# Altium PCB 4G_V4.0_5X4.PcbDoc (part 3 of 4)
Units mm, origin at the board's own origin, x right, y up, seen from the top; angles counter-clockwise.
Board outline 189.75 x 201.25 mm, 2 copper layers (Top Layer, Bottom Layer); 760 components, 0 nets, 5752 pads, 780 vias.
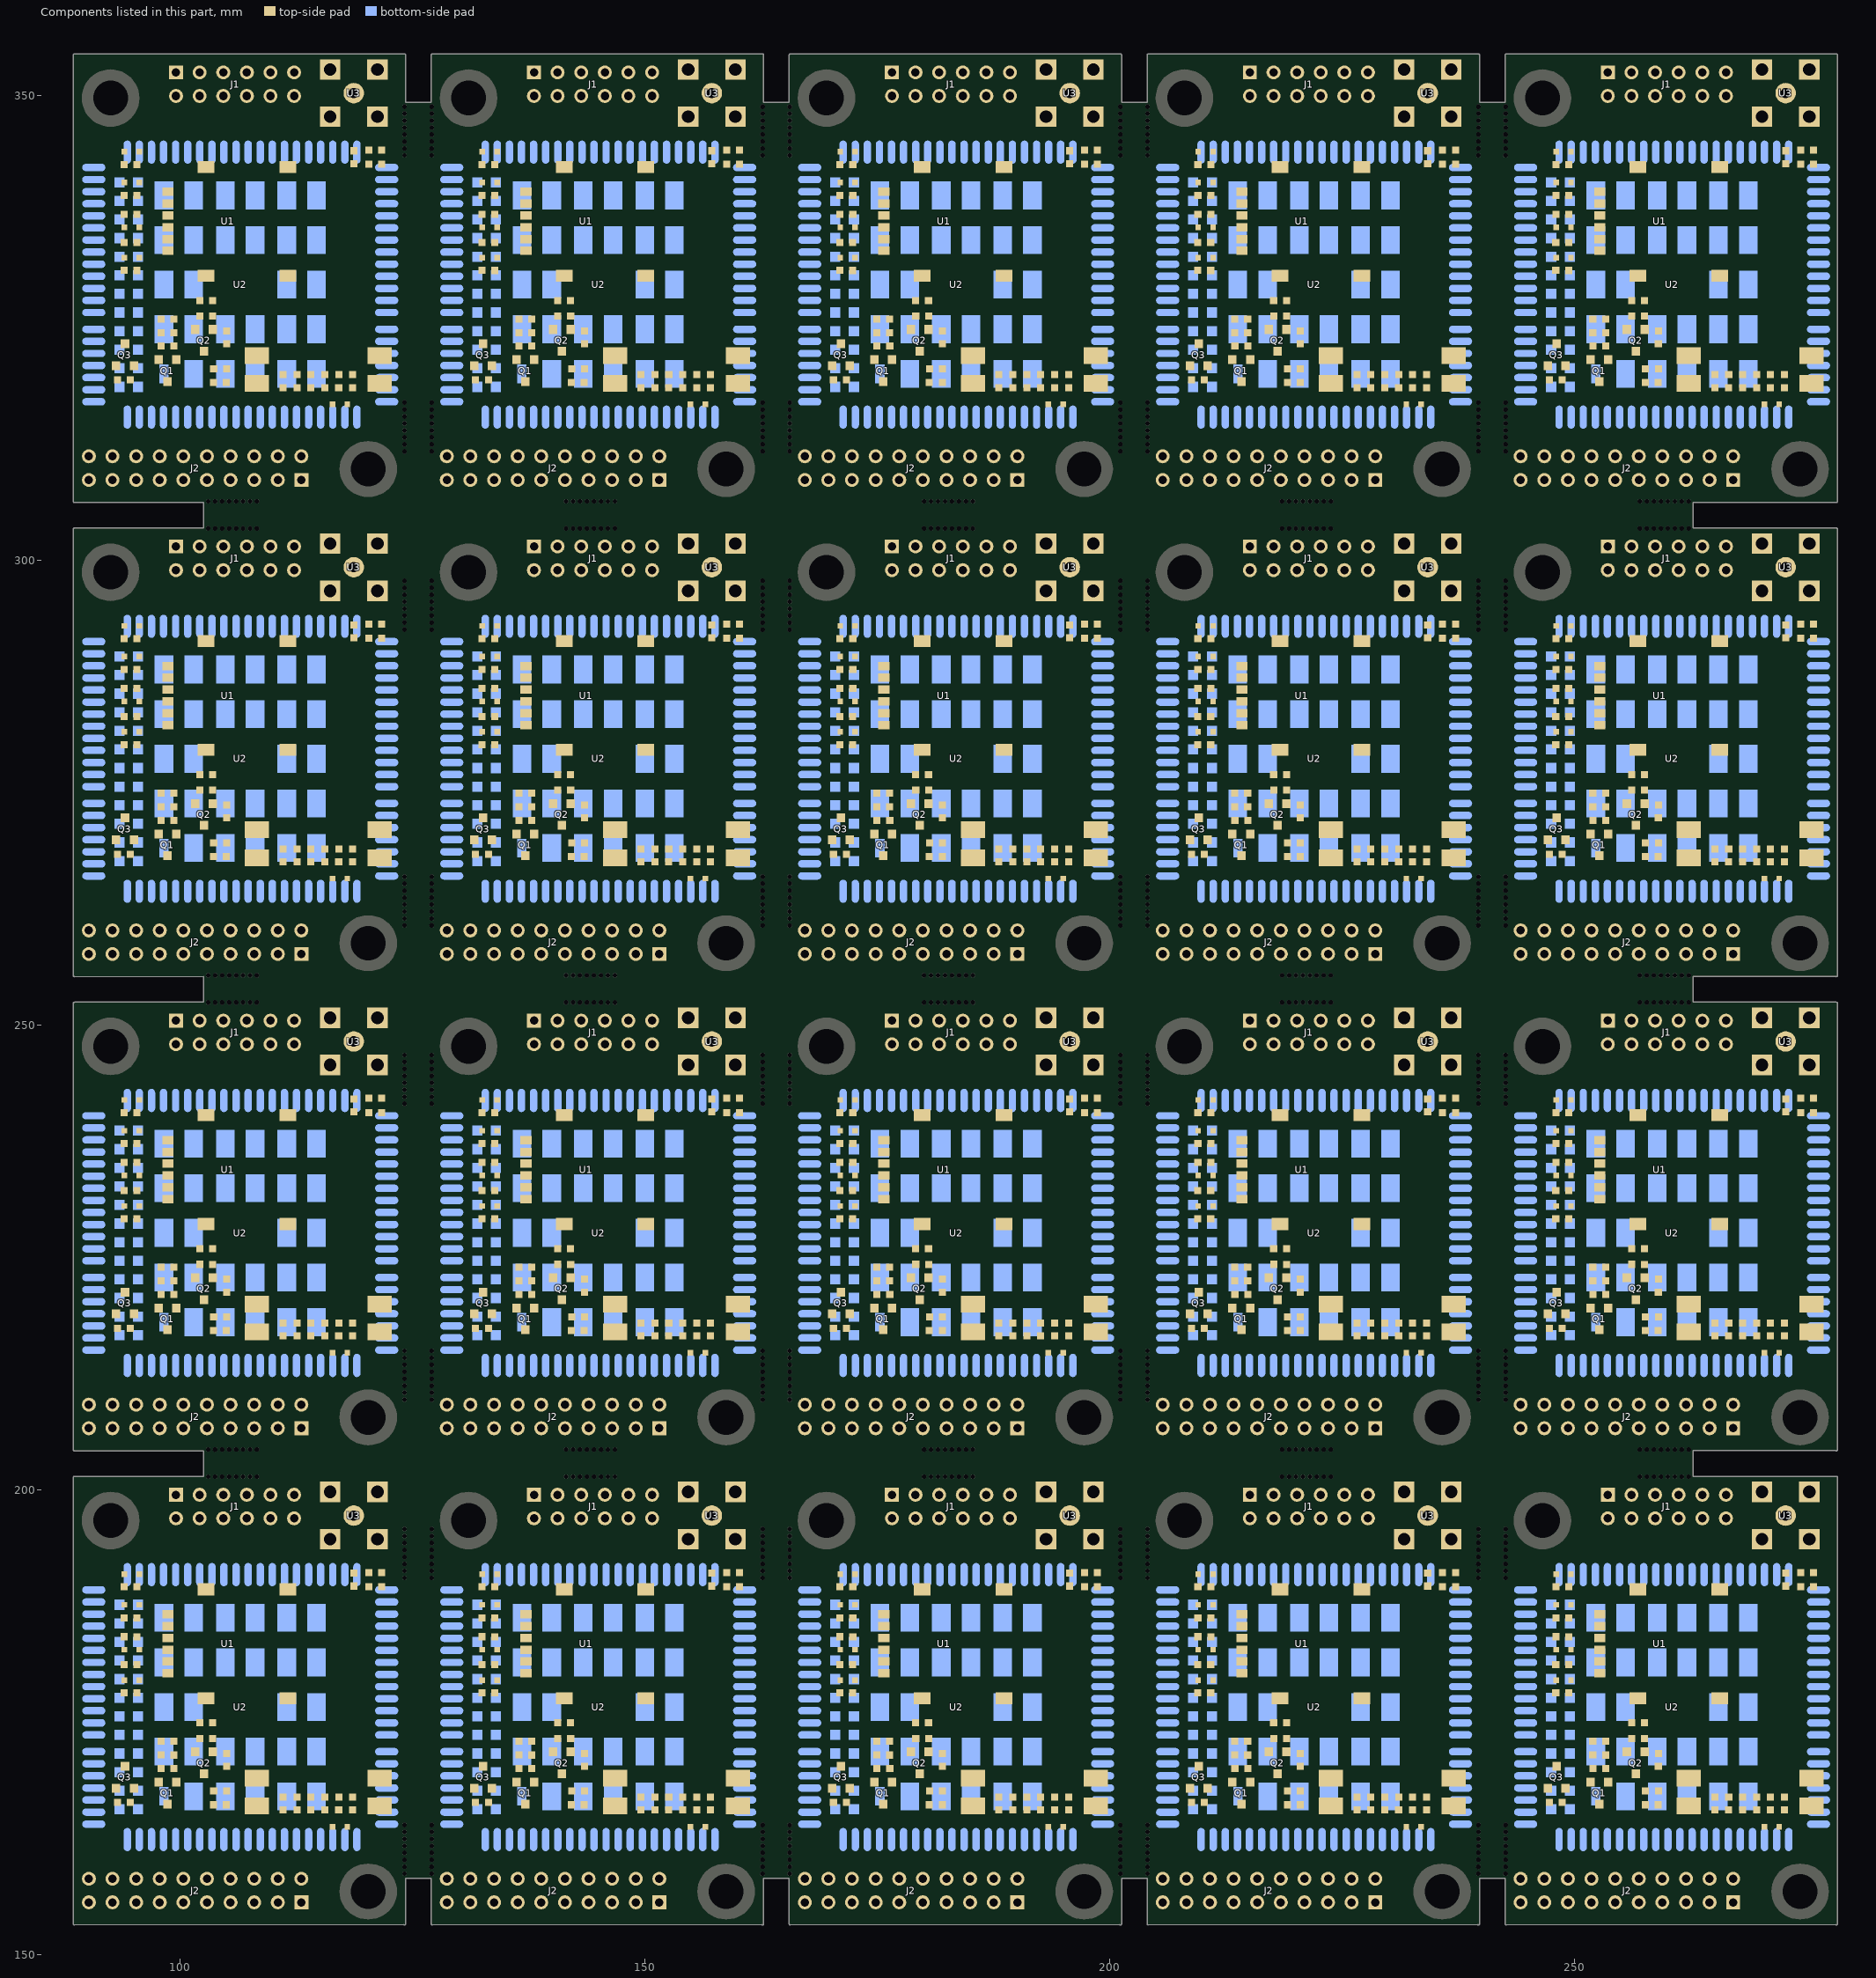
[diagram p3: the components of this part, seen from the top]

## Via types
v1: diameter 0.5, hole 0.3, Top Layer to Bottom Layer, tented both sides, 720 vias
v2: diameter 0.9, hole 0.7, Top Layer to Bottom Layer, tented both sides, 40 vias
v3: diameter 0.7, hole 0.5, Top Layer to Bottom Layer, tented both sides, 20 vias

## Nets (pads, with @x,y where several pads share a name; then routed paths per layer and width w, separated by ;. In a path a pad name is that pad's centre, name@x,y a point inside that pad or via, vN(x,y) a via of type N, cw(c..) or ccw(c..) an arc to the next point about the centre after c; other vN are vias at no path point) (continued)
copper on no net: | length 5721.7
  Top Layer w0.254: v1(92.282,183.394) 92.282,182.874 93.997,181.16 93.997,178.391 ; v1(92.282,234.394) 92.282,233.874 93.997,232.16 93.997,229.391 ; v1(92.282,285.394) 92.282,284.874 93.997,283.16 93.997,280.391 ; v1(92.282,336.394) 92.282,335.874 93.997,334.16 93.997,331.391 ; v1(92.333,179.33) 92.333,178.263 93.22,177.375 94.621,177.375 95.381,178.136 99.572,178.136 99.902,178.466 99.902,181.235 99.621,181.515 98.735,181.515 ; v1(92.333,230.33) 92.333,229.263 93.22,228.375 94.621,228.375 95.381,229.136 99.572,229.136 99.902,229.466 99.902,232.235 99.621,232.515 98.735,232.515 ; v1(92.333,281.33) 92.333,280.263 93.22,279.375 94.621,279.375 95.381,280.136 99.572,280.136 99.902,280.466 99.902,283.235 99.621,283.515 98.735,283.515 ; v1(92.333,332.33) 92.333,331.263 93.22,330.375 94.621,330.375 95.381,331.136 99.572,331.136 99.902,331.466 99.902,334.235 99.621,334.515 98.735,334.515 ; v1(92.384,184.689) 93.501,184.689 94.009,184.181 ; v1(92.384,235.689) 93.501,235.689 94.009,235.181 ; v1(92.384,286.689) 93.501,286.689 94.009,286.181 ; v1(92.384,337.689) 93.501,337.689 94.009,337.181 ; v1(92.402,186.612) 92.8,186.213 94.009,186.213 94.04,186.243 94.04,187.61 94.751,188.321 96.448,188.321 97.184,187.585 99.521,187.585 100.029,187.077 100.029,185.68 99.675,185.325 98.735,185.325 ; v1(92.402,237.612) 92.8,237.213 94.009,237.213 94.04,237.243 94.04,238.61 94.751,239.321 96.448,239.321 97.184,238.585 99.521,238.585 100.029,238.077 100.029,236.68 99.675,236.325 98.735,236.325 ; v1(92.402,288.612) 92.8,288.213 94.009,288.213 94.04,288.243 94.04,289.61 94.751,290.321 96.448,290.321 97.184,289.585 99.521,289.585 100.029,289.077 100.029,287.68 99.675,287.325 98.735,287.325 ; v1(92.402,339.612) 92.8,339.213 94.009,339.213 94.04,339.243 94.04,340.61 94.751,341.321 96.448,341.321 97.184,340.585 99.521,340.585 100.029,340.077 100.029,338.68 99.675,338.325 98.735,338.325 ; 92.765,155.606 92.765,158.146 94.695,160.076 94.695,166.35 ; 92.765,206.606 92.765,209.146 94.695,211.076 94.695,217.35 ; 92.765,257.606 92.765,260.146 94.695,262.076 94.695,268.35 ; 92.765,308.606 92.765,311.146 94.695,313.076 94.695,319.35 ; v1(92.866,189.032) 93.501,189.032 94.009,189.54 94.009,190.882 94.04,190.912 94.721,191.593 96.3,191.593 96.753,191.141 96.753,188.735 97.395,188.093 99.732,188.093 100.639,187.185 100.639,183.546 99.878,182.785 98.735,182.785 ; v1(92.866,240.032) 93.501,240.032 94.009,240.54 94.009,241.881 94.04,241.912 94.721,242.593 96.3,242.593 96.753,242.141 96.753,239.735 97.395,239.093 99.732,239.093 100.639,238.185 100.639,234.546 99.878,233.785 98.735,233.785 ; v1(92.866,291.032) 93.501,291.032 94.009,291.54 94.009,292.881 94.04,292.912 94.721,293.593 96.3,293.593 96.753,293.141 96.753,290.735 97.395,290.093 99.732,290.093 100.639,289.185 100.639,285.546 99.878,284.785 98.735,284.785 ; v1(92.866,342.032) 93.501,342.032 94.009,342.54 94.009,343.881 94.04,343.912 94.721,344.593 96.3,344.593 96.753,344.141 96.753,341.735 97.395,341.093 99.732,341.093 100.639,340.185 100.639,336.546 99.878,335.785 98.735,335.785 ; 93.161,167.893 93.161,166.502 93.311,166.352 ; 93.161,218.893 93.161,217.502 93.311,217.352 ; 93.161,269.893 93.161,268.502 93.311,268.352 ; 93.161,320.893 93.161,319.502 93.311,319.352 ; 94.009,185.908 94.04,185.939 ; 94.009,236.908 94.04,236.939 ; 94.009,287.908 94.04,287.939 ; 94.009,338.908 94.04,338.939 ; 94.021,180.245 98.735,180.245 ; 94.021,231.245 98.735,231.245 ; 94.021,282.245 98.735,282.245 ; 94.021,333.245 98.735,333.245 ; 94.111,170.243 91.996,170.243 90.784,171.455 90.784,174.732 91.977,175.926 98.734,175.926 101.629,178.822 101.629,187.661 100.147,189.144 v1(99.556,189.144) ; 94.111,221.243 91.996,221.243 90.784,222.455 90.784,225.732 91.977,226.926 98.734,226.926 101.629,229.822 101.629,238.661 100.147,240.144 v1(99.556,240.144) ; 94.111,272.243 91.996,272.243 90.784,273.455 90.784,276.732 91.977,277.926 98.734,277.926 101.629,280.822 101.629,289.661 100.147,291.144 v1(99.556,291.144) ; 94.111,323.243 91.996,323.243 90.784,324.455 90.784,327.732 91.977,328.926 98.734,328.926 101.629,331.822 101.629,340.661 100.147,342.144 v1(99.556,342.144) ; 95.381,181.158 94.721,181.819 94.721,182.103 94.04,182.784 94.009,182.814 94.009,184.181 ; 95.381,232.158 94.721,232.819 94.721,233.103 94.04,233.784 94.009,233.814 94.009,235.181 ; 95.381,283.158 94.721,283.819 94.721,284.103 94.04,284.784 94.009,284.814 94.009,286.181 ; 95.381,334.158 94.721,334.819 94.721,335.103 94.04,335.784 94.009,335.814 94.009,337.181 ; 95.394,185.906 95.64,186.153 95.64,187.305 ; 95.394,236.906 95.64,237.153 95.64,238.305 ; 95.394,287.906 95.64,288.153 95.64,289.305 ; 95.394,338.906 95.64,339.153 95.64,340.305 ; 97.723,168.535 96.829,167.641 96.829,159.162 97.845,158.146 97.845,155.606 ; 97.723,219.535 96.829,218.641 96.829,210.162 97.845,209.146 97.845,206.606 ; 97.723,270.535 96.829,269.641 96.829,261.162 97.845,260.146 97.845,257.606 ; 97.723,321.535 96.829,320.641 96.829,312.162 97.845,311.146 97.845,308.606 ; 98.735,186.595 98.504,186.365 97.819,186.365 96.499,185.045 94.873,185.045 94.009,184.181 ; 98.735,237.595 98.504,237.365 97.819,237.365 96.499,236.045 94.873,236.045 94.009,235.181 ; 98.735,288.595 98.504,288.365 97.819,288.365 96.499,287.045 94.873,287.045 94.009,286.181 ; 98.735,339.595 98.504,339.365 97.819,339.365 96.499,338.045 94.873,338.045 94.009,337.181 ; 99.359,171.449 99.371,171.436 99.371,169.999 99.371,168.786 99.623,168.535 ; 99.359,172.922 100.563,171.718 100.563,168.01 98.737,166.185 98.673,166.185 100.26,164.598 v1(100.994,164.598) ; 99.359,222.449 99.371,222.436 99.371,220.999 99.371,219.786 99.623,219.535 ; 99.359,223.922 100.563,222.718 100.563,219.01 98.737,217.185 98.673,217.185 100.26,215.598 v1(100.994,215.598) ; 99.359,273.449 99.371,273.436 99.371,271.999 99.371,270.786 99.623,270.535 ; 99.359,274.922 100.563,273.718 100.563,270.01 98.737,268.185 98.673,268.185 100.26,266.598 v1(100.994,266.598) ; 99.359,324.449 99.371,324.436 99.371,322.999 99.371,321.786 99.623,321.535 ; 99.359,325.922 100.563,324.718 100.563,321.01 98.737,319.185 98.673,319.185 100.26,317.598 v1(100.994,317.598) ; 102.595,169.442 102.595,164.978 v1(103.456,164.117) ; 102.595,220.442 102.595,215.978 v1(103.456,215.117) ; 102.595,271.442 102.595,266.978 v1(103.456,266.117) ; 102.595,322.442 102.595,317.978 v1(103.456,317.117) ; 102.925,155.606 102.925,158.146 101.645,159.426 101.645,171.792 102.845,170.592 103.992,170.592 105.033,171.633 ; 102.925,206.606 102.925,209.146 101.645,210.426 101.645,222.792 102.845,221.592 103.992,221.592 105.033,222.633 ; 102.925,257.606 102.925,260.146 101.645,261.426 101.645,273.792 102.845,272.592 103.992,272.592 105.033,273.633 ; 102.925,308.606 102.925,311.146 101.645,312.426 101.645,324.792 102.845,323.592 103.992,323.592 105.033,324.633 ; 103.534,174.91 103.545,174.9 103.545,171.792 ; 103.534,225.91 103.545,225.9 103.545,222.792 ; 103.534,276.91 103.545,276.9 103.545,273.792 ; 103.534,327.91 103.545,327.9 103.545,324.792 ; 103.623,166.098 103.649,166.123 103.649,167.571 ; 103.623,217.098 103.649,217.123 103.649,218.571 ; 103.623,268.098 103.649,268.123 103.649,269.571 ; 103.623,319.098 103.649,319.123 103.649,320.571 ; 105.008,166.096 106.964,164.14 v1(111.256,164.14) ; 105.008,217.096 106.964,215.14 v1(111.256,215.14) ; 105.008,268.096 106.964,266.14 v1(111.256,266.14) ; 105.008,319.096 106.964,317.14 v1(111.256,317.14) ; v1(130.782,183.394) 130.782,182.874 132.497,181.16 132.497,178.391 ; v1(130.782,234.394) 130.782,233.874 132.497,232.16 132.497,229.391 ; v1(130.782,285.394) 130.782,284.874 132.497,283.16 132.497,280.391 ; v1(130.782,336.394) 130.782,335.874 132.497,334.16 132.497,331.391 ; v1(130.833,179.33) 130.833,178.263 131.72,177.375 133.121,177.375 133.881,178.136 138.072,178.136 138.402,178.466 138.402,181.235 138.121,181.515 137.235,181.515 ; v1(130.833,230.33) 130.833,229.263 131.72,228.375 133.121,228.375 133.881,229.136 138.072,229.136 138.402,229.466 138.402,232.235 138.121,232.515 137.235,232.515 ; v1(130.833,281.33) 130.833,280.263 131.72,279.375 133.121,279.375 133.881,280.136 138.072,280.136 138.402,280.466 138.402,283.235 138.121,283.515 137.235,283.515 ; v1(130.833,332.33) 130.833,331.263 131.72,330.375 133.121,330.375 133.881,331.136 138.072,331.136 138.402,331.466 138.402,334.235 138.121,334.515 137.235,334.515 ; v1(130.884,184.689) 132.001,184.689 132.509,184.181 ; v1(130.884,235.689) 132.001,235.689 132.509,235.181 ; v1(130.884,286.689) 132.001,286.689 132.509,286.181 ; v1(130.884,337.689) 132.001,337.689 132.509,337.181 ; v1(130.902,186.612) 131.3,186.213 132.509,186.213 132.54,186.243 132.54,187.61 133.251,188.321 134.948,188.321 135.684,187.585 138.021,187.585 138.529,187.077 138.529,185.68 138.175,185.325 137.235,185.325 ; v1(130.902,237.612) 131.3,237.213 132.509,237.213 132.54,237.243 132.54,238.61 133.251,239.321 134.948,239.321 135.684,238.585 138.021,238.585 138.529,238.077 138.529,236.68 138.175,236.325 137.235,236.325 ; v1(130.902,288.612) 131.3,288.213 132.509,288.213 132.54,288.243 132.54,289.61 133.251,290.321 134.948,290.321 135.684,289.585 138.021,289.585 138.529,289.077 138.529,287.68 138.175,287.325 137.235,287.325 ; v1(130.902,339.612) 131.3,339.213 132.509,339.213 132.54,339.243 132.54,340.61 133.251,341.321 134.948,341.321 135.684,340.585 138.021,340.585 138.529,340.077 138.529,338.68 138.175,338.325 137.235,338.325 ; 131.265,155.606 131.265,158.146 133.195,160.076 133.195,166.35 ; 131.265,206.606 131.265,209.146 133.195,211.076 133.195,217.35 ; 131.265,257.606 131.265,260.146 133.195,262.076 133.195,268.35 ; 131.265,308.606 131.265,311.146 133.195,313.076 133.195,319.35 ; v1(131.366,189.032) 132.001,189.032 132.509,189.54 132.509,190.882 132.54,190.912 133.221,191.593 134.8,191.593 135.253,191.141 135.253,188.735 135.895,188.093 138.232,188.093 139.139,187.185 139.139,183.546 138.378,182.785 137.235,182.785 ; v1(131.366,240.032) 132.001,240.032 132.509,240.54 132.509,241.881 132.54,241.912 133.221,242.593 134.8,242.593 135.253,242.141 135.253,239.735 135.895,239.093 138.232,239.093 139.139,238.185 139.139,234.546 138.378,233.785 137.235,233.785 ; v1(131.366,291.032) 132.001,291.032 132.509,291.54 132.509,292.881 132.54,292.912 133.221,293.593 134.8,293.593 135.253,293.141 135.253,290.735 135.895,290.093 138.232,290.093 139.139,289.185 139.139,285.546 138.378,284.785 137.235,284.785 ; v1(131.366,342.032) 132.001,342.032 132.509,342.54 132.509,343.881 132.54,343.912 133.221,344.593 134.8,344.593 135.253,344.141 135.253,341.735 135.895,341.093 138.232,341.093 139.139,340.185 139.139,336.546 138.378,335.785 137.235,335.785 ; 131.661,167.893 131.661,166.502 131.811,166.352 ; 131.661,218.893 131.661,217.502 131.811,217.352 ; 131.661,269.893 131.661,268.502 131.811,268.352 ; 131.661,320.893 131.661,319.502 131.811,319.352 ; 132.509,185.908 132.54,185.939 ; 132.509,236.908 132.54,236.939 ; 132.509,287.908 132.54,287.939 ; 132.509,338.908 132.54,338.939 ; 132.521,180.245 137.235,180.245 ; 132.521,231.245 137.235,231.245 ; 132.521,282.245 137.235,282.245 ; 132.521,333.245 137.235,333.245 ; 132.611,170.243 130.496,170.243 129.284,171.455 129.284,174.732 130.477,175.926 137.234,175.926 140.129,178.822 140.129,187.661 138.647,189.144 v1(138.056,189.144) ; 132.611,221.243 130.496,221.243 129.284,222.455 129.284,225.732 130.477,226.926 137.234,226.926 140.129,229.822 140.129,238.661 138.647,240.144 v1(138.056,240.144) ; 132.611,272.243 130.496,272.243 129.284,273.455 129.284,276.732 130.477,277.926 137.234,277.926 140.129,280.822 140.129,289.661 138.647,291.144 v1(138.056,291.144) ; 132.611,323.243 130.496,323.243 129.284,324.455 129.284,327.732 130.477,328.926 137.234,328.926 140.129,331.822 140.129,340.661 138.647,342.144 v1(138.056,342.144) ; 133.881,181.158 133.221,181.819 133.221,182.103 132.54,182.784 132.509,182.814 132.509,184.181 ; 133.881,232.158 133.221,232.819 133.221,233.103 132.54,233.784 132.509,233.814 132.509,235.181 ; 133.881,283.158 133.221,283.819 133.221,284.103 132.54,284.784 132.509,284.814 132.509,286.181 ; 133.881,334.158 133.221,334.819 133.221,335.103 132.54,335.784 132.509,335.814 132.509,337.181 ; 133.894,185.906 134.14,186.153 134.14,187.305 ; 133.894,236.906 134.14,237.153 134.14,238.305 ; 133.894,287.906 134.14,288.153 134.14,289.305 ; 133.894,338.906 134.14,339.153 134.14,340.305 ; 136.223,168.535 135.329,167.641 135.329,159.162 136.345,158.146 136.345,155.606 ; 136.223,219.535 135.329,218.641 135.329,210.162 136.345,209.146 136.345,206.606 ; 136.223,270.535 135.329,269.641 135.329,261.162 136.345,260.146 136.345,257.606 ; 136.223,321.535 135.329,320.641 135.329,312.162 136.345,311.146 136.345,308.606 ; 137.235,186.595 137.004,186.365 136.319,186.365 134.999,185.045 133.373,185.045 132.509,184.181 ; 137.235,237.595 137.004,237.365 136.319,237.365 134.999,236.045 133.373,236.045 132.509,235.181 ; 137.235,288.595 137.004,288.365 136.319,288.365 134.999,287.045 133.373,287.045 132.509,286.181 ; 137.235,339.595 137.004,339.365 136.319,339.365 134.999,338.045 133.373,338.045 132.509,337.181 ; 137.859,171.449 137.871,171.436 137.871,169.999 137.871,168.786 138.123,168.535 ; 137.859,172.922 139.063,171.718 139.063,168.01 137.237,166.185 137.173,166.185 138.76,164.598 v1(139.494,164.598) ; 137.859,222.449 137.871,222.436 137.871,220.999 137.871,219.786 138.123,219.535 ; 137.859,223.922 139.063,222.718 139.063,219.01 137.237,217.185 137.173,217.185 138.76,215.598 v1(139.494,215.598) ; 137.859,273.449 137.871,273.436 137.871,271.999 137.871,270.786 138.123,270.535 ; 137.859,274.922 139.063,273.718 139.063,270.01 137.237,268.185 137.173,268.185 138.76,266.598 v1(139.494,266.598) ; 137.859,324.449 137.871,324.436 137.871,322.999 137.871,321.786 138.123,321.535 ; 137.859,325.922 139.063,324.718 139.063,321.01 137.237,319.185 137.173,319.185 138.76,317.598 v1(139.494,317.598) ; 141.095,169.442 141.095,164.978 v1(141.956,164.117) ; 141.095,220.442 141.095,215.978 v1(141.956,215.117) ; 141.095,271.442 141.095,266.978 v1(141.956,266.117) ; 141.095,322.442 141.095,317.978 v1(141.956,317.117) ; 141.425,155.606 141.425,158.146 140.145,159.426 140.145,171.792 141.345,170.592 142.492,170.592 143.533,171.633 ; 141.425,206.606 141.425,209.146 140.145,210.426 140.145,222.792 141.345,221.592 142.492,221.592 143.533,222.633 ; 141.425,257.606 141.425,260.146 140.145,261.426 140.145,273.792 141.345,272.592 142.492,272.592 143.533,273.633 ; 141.425,308.606 141.425,311.146 140.145,312.426 140.145,324.792 141.345,323.592 142.492,323.592 143.533,324.633 ; 142.034,174.91 142.045,174.9 142.045,171.792 ; 142.034,225.91 142.045,225.9 142.045,222.792 ; 142.034,276.91 142.045,276.9 142.045,273.792 ; 142.034,327.91 142.045,327.9 142.045,324.792 ; 142.123,166.098 142.149,166.123 142.149,167.571 ; 142.123,217.098 142.149,217.123 142.149,218.571 ; 142.123,268.098 142.149,268.123 142.149,269.571 ; 142.123,319.098 142.149,319.123 142.149,320.571 ; 143.508,166.096 145.464,164.14 v1(149.756,164.14) ; 143.508,217.096 145.464,215.14 v1(149.756,215.14) ; 143.508,268.096 145.464,266.14 v1(149.756,266.14) ; 143.508,319.096 145.464,317.14 v1(149.756,317.14) ; v1(169.282,183.394) 169.282,182.874 170.997,181.16 170.997,178.391 ; v1(169.282,234.394) 169.282,233.874 170.997,232.16 170.997,229.391 ; v1(169.282,285.394) 169.282,284.874 170.997,283.16 170.997,280.391 ; v1(169.282,336.394) 169.282,335.874 170.997,334.16 170.997,331.391 ; v1(169.333,179.33) 169.333,178.263 170.22,177.375 171.621,177.375 172.381,178.136 176.572,178.136 176.902,178.466 176.902,181.235 176.621,181.515 175.735,181.515 ; v1(169.333,230.33) 169.333,229.263 170.22,228.375 171.621,228.375 172.381,229.136 176.572,229.136 176.902,229.466 176.902,232.235 176.621,232.515 175.735,232.515 ; v1(169.333,281.33) 169.333,280.263 170.22,279.375 171.621,279.375 172.381,280.136 176.572,280.136 176.902,280.466 176.902,283.235 176.621,283.515 175.735,283.515 ; v1(169.333,332.33) 169.333,331.263 170.22,330.375 171.621,330.375 172.381,331.136 176.572,331.136 176.902,331.466 176.902,334.235 176.621,334.515 175.735,334.515 ; v1(169.384,184.689) 170.501,184.689 171.009,184.181 ; v1(169.384,235.689) 170.501,235.689 171.009,235.181 ; v1(169.384,286.689) 170.501,286.689 171.009,286.181 ; v1(169.384,337.689) 170.501,337.689 171.009,337.181 ; v1(169.402,186.612) 169.8,186.213 171.009,186.213 171.04,186.243 171.04,187.61 171.751,188.321 173.448,188.321 174.184,187.585 176.521,187.585 177.029,187.077 177.029,185.68 176.675,185.325 175.735,185.325 ; v1(169.402,237.612) 169.8,237.213 171.009,237.213 171.04,237.243 171.04,238.61 171.751,239.321 173.448,239.321 174.184,238.585 176.521,238.585 177.029,238.077 177.029,236.68 176.675,236.325 175.735,236.325 ; v1(169.402,288.612) 169.8,288.213 171.009,288.213 171.04,288.243 171.04,289.61 171.751,290.321 173.448,290.321 174.184,289.585 176.521,289.585 177.029,289.077 177.029,287.68 176.675,287.325 175.735,287.325 ; v1(169.402,339.612) 169.8,339.213 171.009,339.213 171.04,339.243 171.04,340.61 171.751,341.321 173.448,341.321 174.184,340.585 176.521,340.585 177.029,340.077 177.029,338.68 176.675,338.325 175.735,338.325 ; 169.765,155.606 169.765,158.146 171.695,160.076 171.695,166.35 ; 169.765,206.606 169.765,209.146 171.695,211.076 171.695,217.35 ; 169.765,257.606 169.765,260.146 171.695,262.076 171.695,268.35 ; 169.765,308.606 169.765,311.146 171.695,313.076 171.695,319.35 ; v1(169.866,189.032) 170.501,189.032 171.009,189.54 171.009,190.882 171.04,190.912 171.721,191.593 173.3,191.593 173.753,191.141 173.753,188.735 174.395,188.093 176.732,188.093 177.639,187.185 177.639,183.546 176.878,182.785 175.735,182.785 ; v1(169.866,240.032) 170.501,240.032 171.009,240.54 171.009,241.881 171.04,241.912 171.721,242.593 173.3,242.593 173.753,242.141 173.753,239.735 174.395,239.093 176.732,239.093 177.639,238.185 177.639,234.546 176.878,233.785 175.735,233.785 ; v1(169.866,291.032) 170.501,291.032 171.009,291.54 171.009,292.881 171.04,292.912 171.721,293.593 173.3,293.593 173.753,293.141 173.753,290.735 174.395,290.093 176.732,290.093 177.639,289.185 177.639,285.546 176.878,284.785 175.735,284.785 ; v1(169.866,342.032) 170.501,342.032 171.009,342.54 171.009,343.881 171.04,343.912 171.721,344.593 173.3,344.593 173.753,344.141 173.753,341.735 174.395,341.093 176.732,341.093 177.639,340.185 177.639,336.546 176.878,335.785 175.735,335.785 ; 170.161,167.893 170.161,166.502 170.311,166.352 ; 170.161,218.893 170.161,217.502 170.311,217.352 ; 170.161,269.893 170.161,268.502 170.311,268.352 ; 170.161,320.893 170.161,319.502 170.311,319.352 ; 171.009,185.908 171.04,185.939 ; 171.009,236.908 171.04,236.939 ; 171.009,287.908 171.04,287.939 ; 171.009,338.908 171.04,338.939 ; 171.021,180.245 175.735,180.245 ; 171.021,231.245 175.735,231.245 ; 171.021,282.245 175.735,282.245 ; 171.021,333.245 175.735,333.245 ; 171.111,170.243 168.996,170.243 167.784,171.455 167.784,174.732 168.977,175.926 175.734,175.926 178.629,178.822 178.629,187.661 177.147,189.144 v1(176.556,189.144) ; 171.111,221.243 168.996,221.243 167.784,222.455 167.784,225.732 168.977,226.926 175.734,226.926 178.629,229.822 178.629,238.661 177.147,240.144 v1(176.556,240.144) ; 171.111,272.243 168.996,272.243 167.784,273.455 167.784,276.732 168.977,277.926 175.734,277.926 178.629,280.822 178.629,289.661 177.147,291.144 v1(176.556,291.144) ; 171.111,323.243 168.996,323.243 167.784,324.455 167.784,327.732 168.977,328.926 175.734,328.926 178.629,331.822 178.629,340.661 177.147,342.144 v1(176.556,342.144) ; 172.381,181.158 171.721,181.819 171.721,182.103 171.04,182.784 171.009,182.814 171.009,184.181 ; 172.381,232.158 171.721,232.819 171.721,233.103 171.04,233.784 171.009,233.814 171.009,235.181 ; 172.381,283.158 171.721,283.819 171.721,284.103 171.04,284.784 171.009,284.814 171.009,286.181 ; 172.381,334.158 171.721,334.819 171.721,335.103 171.04,335.784 171.009,335.814 171.009,337.181 ; 172.394,185.906 172.64,186.153 172.64,187.305 ; 172.394,236.906 172.64,237.153 172.64,238.305 ; 172.394,287.906 172.64,288.153 172.64,289.305 ; 172.394,338.906 172.64,339.153 172.64,340.305 ; 174.723,168.535 173.829,167.641 173.829,159.162 174.845,158.146 174.845,155.606 ; 174.723,219.535 173.829,218.641 173.829,210.162 174.845,209.146 174.845,206.606 ; 174.723,270.535 173.829,269.641 173.829,261.162 174.845,260.146 174.845,257.606 ; 174.723,321.535 173.829,320.641 173.829,312.162 174.845,311.146 174.845,308.606 ; 175.735,186.595 175.504,186.365 174.819,186.365 173.499,185.045 171.873,185.045 171.009,184.181 ; 175.735,237.595 175.504,237.365 174.819,237.365 173.499,236.045 171.873,236.045 171.009,235.181 ; 175.735,288.595 175.504,288.365 174.819,288.365 173.499,287.045 171.873,287.045 171.009,286.181 ; 175.735,339.595 175.504,339.365 174.819,339.365 173.499,338.045 171.873,338.045 171.009,337.181 ; 176.359,171.449 176.371,171.436 176.371,169.999 176.371,168.786 176.623,168.535 ; 176.359,172.922 177.563,171.718 177.563,168.01 175.737,166.185 175.673,166.185 177.26,164.598 v1(177.994,164.598) ; 176.359,222.449 176.371,222.436 176.371,220.999 176.371,219.786 176.623,219.535 ; 176.359,223.922 177.563,222.718 177.563,219.01 175.737,217.185 175.673,217.185 177.26,215.598 v1(177.994,215.598) ; 176.359,273.449 176.371,273.436 176.371,271.999 176.371,270.786 176.623,270.535 ; 176.359,274.922 177.563,273.718 177.563,270.01 175.737,268.185 175.673,268.185 177.26,266.598 v1(177.994,266.598) ; 176.359,324.449 176.371,324.436 176.371,322.999 176.371,321.786 176.623,321.535 ; 176.359,325.922 177.563,324.718 177.563,321.01 175.737,319.185 175.673,319.185 177.26,317.598 v1(177.994,317.598) ; 179.595,169.442 179.595,164.978 v1(180.456,164.117) ; 179.595,220.442 179.595,215.978 v1(180.456,215.117) ; 179.595,271.442 179.595,266.978 v1(180.456,266.117) ; 179.595,322.442 179.595,317.978 v1(180.456,317.117) ; 179.925,155.606 179.925,158.146 178.645,159.426 178.645,171.792 179.845,170.592 180.992,170.592 182.033,171.633 ; 179.925,206.606 179.925,209.146 178.645,210.426 178.645,222.792 179.845,221.592 180.992,221.592 182.033,222.633 ; 179.925,257.606 179.925,260.146 178.645,261.426 178.645,273.792 179.845,272.592 180.992,272.592 182.033,273.633 ; 179.925,308.606 179.925,311.146 178.645,312.426 178.645,324.792 179.845,323.592 180.992,323.592 182.033,324.633 ; 180.534,174.91 180.545,174.9 180.545,171.792 ; 180.534,225.91 180.545,225.9 180.545,222.792 ; 180.534,276.91 180.545,276.9 180.545,273.792 ; 180.534,327.91 180.545,327.9 180.545,324.792 ; 180.623,166.098 180.649,166.123 180.649,167.571 ; 180.623,217.098 180.649,217.123 180.649,218.571 ; 180.623,268.098 180.649,268.123 180.649,269.571 ; 180.623,319.098 180.649,319.123 180.649,320.571 ; 182.008,166.096 183.964,164.14 v1(188.256,164.14) ; 182.008,217.096 183.964,215.14 v1(188.256,215.14) ; 182.008,268.096 183.964,266.14 v1(188.256,266.14) ; 182.008,319.096 183.964,317.14 v1(188.256,317.14) ; v1(207.782,183.394) 207.782,182.874 209.497,181.16 209.497,178.391 ; v1(207.782,234.394) 207.782,233.874 209.497,232.16 209.497,229.391 ; v1(207.782,285.394) 207.782,284.874 209.497,283.16 209.497,280.391 ; v1(207.782,336.394) 207.782,335.874 209.497,334.16 209.497,331.391 ; v1(207.833,179.33) 207.833,178.263 208.72,177.375 210.121,177.375 210.881,178.136 215.072,178.136 215.402,178.466 215.402,181.235 215.121,181.515 214.235,181.515 ; v1(207.833,230.33) 207.833,229.263 208.72,228.375 210.121,228.375 210.881,229.136 215.072,229.136 215.402,229.466 215.402,232.235 215.121,232.515 214.235,232.515 ; v1(207.833,281.33) 207.833,280.263 208.72,279.375 210.121,279.375 210.881,280.136 215.072,280.136 215.402,280.466 215.402,283.235 215.121,283.515 214.235,283.515 ; v1(207.833,332.33) 207.833,331.263 208.72,330.375 210.121,330.375 210.881,331.136 215.072,331.136 215.402,331.466 215.402,334.235 215.121,334.515 214.235,334.515 ; v1(207.884,184.689) 209.001,184.689 209.509,184.181 ; v1(207.884,235.689) 209.001,235.689 209.509,235.181 ; v1(207.884,286.689) 209.001,286.689 209.509,286.181 ; v1(207.884,337.689) 209.001,337.689 209.509,337.181 ; v1(207.902,186.612) 208.3,186.213 209.509,186.213 209.54,186.243 209.54,187.61 210.251,188.321 211.948,188.321 212.684,187.585 215.021,187.585 215.529,187.077 215.529,185.68 215.175,185.325 214.235,185.325 ; v1(207.902,237.612) 208.3,237.213 209.509,237.213 209.54,237.243 209.54,238.61 210.251,239.321 211.948,239.321 212.684,238.585 215.021,238.585 215.529,238.077 215.529,236.68 215.175,236.325 214.235,236.325 ; v1(207.902,288.612) 208.3,288.213 209.509,288.213 209.54,288.243 209.54,289.61 210.251,290.321 211.948,290.321 212.684,289.585 215.021,289.585 215.529,289.077 215.529,287.68 215.175,287.325 214.235,287.325 ; v1(207.902,339.612) 208.3,339.213 209.509,339.213 209.54,339.243 209.54,340.61 210.251,341.321 211.948,341.321 212.684,340.585 215.021,340.585 215.529,340.077 215.529,338.68 215.175,338.325 214.235,338.325 ; 208.265,155.606 208.265,158.146 210.195,160.076 210.195,166.35 ; 208.265,206.606 208.265,209.146 210.195,211.076 210.195,217.35 ; 208.265,257.606 208.265,260.146 210.195,262.076 210.195,268.35 ; 208.265,308.606 208.265,311.146 210.195,313.076 210.195,319.35 ; v1(208.366,189.032) 209.001,189.032 209.509,189.54 209.509,190.882 209.54,190.912 210.221,191.593 211.8,191.593 212.253,191.141 212.253,188.735 212.895,188.093 215.232,188.093 216.139,187.185 216.139,183.546 215.378,182.785 214.235,182.785 ; v1(208.366,240.032) 209.001,240.032 209.509,240.54 209.509,241.881 209.54,241.912 210.221,242.593 211.8,242.593 212.253,242.141 212.253,239.735 212.895,239.093 215.232,239.093 216.139,238.185 216.139,234.546 215.378,233.785 214.235,233.785 ; v1(208.366,291.032) 209.001,291.032 209.509,291.54 209.509,292.881 209.54,292.912 210.221,293.593 211.8,293.593 212.253,293.141 212.253,290.735 212.895,290.093 215.232,290.093 216.139,289.185 216.139,285.546 215.378,284.785 214.235,284.785 ; v1(208.366,342.032) 209.001,342.032 209.509,342.54 209.509,343.881 209.54,343.912 210.221,344.593 211.8,344.593 212.253,344.141 212.253,341.735 212.895,341.093 215.232,341.093 216.139,340.185 216.139,336.546 215.378,335.785 214.235,335.785 ; 208.661,167.893 208.661,166.502 208.811,166.352 ; 208.661,218.893 208.661,217.502 208.811,217.352 ; 208.661,269.893 208.661,268.502 208.811,268.352 ; 208.661,320.893 208.661,319.502 208.811,319.352 ; 209.509,185.908 209.54,185.939 ; 209.509,236.908 209.54,236.939 ; 209.509,287.908 209.54,287.939 ; 209.509,338.908 209.54,338.939 ; 209.521,180.245 214.235,180.245 ; 209.521,231.245 214.235,231.245 ; 209.521,282.245 214.235,282.245 ; 209.521,333.245 214.235,333.245 ; 209.611,170.243 207.496,170.243 206.284,171.455 206.284,174.732 207.477,175.926 214.234,175.926 217.129,178.822 217.129,187.661 215.647,189.144 v1(215.056,189.144) ; 209.611,221.243 207.496,221.243 206.284,222.455 206.284,225.732 207.477,226.926 214.234,226.926 217.129,229.822 217.129,238.661 215.647,240.144 v1(215.056,240.144) ; 209.611,272.243 207.496,272.243 206.284,273.455 206.284,276.732 207.477,277.926 214.234,277.926 217.129,280.822 217.129,289.661 215.647,291.144 v1(215.056,291.144) ; 209.611,323.243 207.496,323.243 206.284,324.455 206.284,327.732 207.477,328.926 214.234,328.926 217.129,331.822 217.129,340.661 215.647,342.144 v1(215.056,342.144) ; 210.881,181.158 210.221,181.819 210.221,182.103 209.54,182.784 209.509,182.814 209.509,184.181 ; 210.881,232.158 210.221,232.819 210.221,233.103 209.54,233.784 209.509,233.814 209.509,235.181 ; 210.881,283.158 210.221,283.819 210.221,284.103 209.54,284.784 209.509,284.814 209.509,286.181 ; 210.881,334.158 210.221,334.819 210.221,335.103 209.54,335.784 209.509,335.814 209.509,337.181 ; 210.894,185.906 211.14,186.153 211.14,187.305 ; 210.894,236.906 211.14,237.153 211.14,238.305 ; 210.894,287.906 211.14,288.153 211.14,289.305 ; 210.894,338.906 211.14,339.153 211.14,340.305 ; 213.223,168.535 212.329,167.641 212.329,159.162 213.345,158.146 213.345,155.606 ; 213.223,219.535 212.329,218.641 212.329,210.162 213.345,209.146 213.345,206.606 ; 213.223,270.535 212.329,269.641 212.329,261.162 213.345,260.146 213.345,257.606 ; 213.223,321.535 212.329,320.641 212.329,312.162 213.345,311.146 213.345,308.606 ; 214.235,186.595 214.004,186.365 213.319,186.365 211.999,185.045 210.373,185.045 209.509,184.181 ; 214.235,237.595 214.004,237.365 213.319,237.365 211.999,236.045 210.373,236.045 209.509,235.181 ; 214.235,288.595 214.004,288.365 213.319,288.365 211.999,287.045 210.373,287.045 209.509,286.181 ; 214.235,339.595 214.004,339.365 213.319,339.365 211.999,338.045 210.373,338.045 209.509,337.181 ; 214.859,171.449 214.871,171.436 214.871,169.999 214.871,168.786 215.123,168.535 ; 214.859,172.922 216.063,171.718 216.063,168.01 214.237,166.185 214.173,166.185 215.76,164.598 v1(216.494,164.598) ; 214.859,222.449 214.871,222.436 214.871,220.999 214.871,219.786 215.123,219.535 ; 214.859,223.922 216.063,222.718 216.063,219.01 214.237,217.185 214.173,217.185 215.76,215.598 v1(216.494,215.598) ; 214.859,273.449 214.871,273.436 214.871,271.999 214.871,270.786 215.123,270.535 ; 214.859,274.922 216.063,273.718 216.063,270.01 214.237,268.185 214.173,268.185 215.76,266.598 v1(216.494,266.598) ; 214.859,324.449 214.871,324.436 214.871,322.999 214.871,321.786 215.123,321.535 ; 214.859,325.922 216.063,324.718 216.063,321.01 214.237,319.185 214.173,319.185 215.76,317.598 v1(216.494,317.598) ; 218.095,169.442 218.095,164.978 v1(218.956,164.117) ; 218.095,220.442 218.095,215.978 v1(218.956,215.117) ; 218.095,271.442 218.095,266.978 v1(218.956,266.117) ; 218.095,322.442 218.095,317.978 v1(218.956,317.117) ; 218.425,155.606 218.425,158.146 217.145,159.426 217.145,171.792 218.345,170.592 219.492,170.592 220.533,171.633 ; 218.425,206.606 218.425,209.146 217.145,210.426 217.145,222.792 218.345,221.592 219.492,221.592 220.533,222.633 ; 218.425,257.606 218.425,260.146 217.145,261.426 217.145,273.792 218.345,272.592 219.492,272.592 220.533,273.633 ; 218.425,308.606 218.425,311.146 217.145,312.426 217.145,324.792 218.345,323.592 219.492,323.592 220.533,324.633 ; 219.034,174.91 219.045,174.9 219.045,171.792 ; 219.034,225.91 219.045,225.9 219.045,222.792 ; 219.034,276.91 219.045,276.9 219.045,273.792 ; 219.034,327.91 219.045,327.9 219.045,324.792 ; 219.123,166.098 219.149,166.123 219.149,167.571 ; 219.123,217.098 219.149,217.123 219.149,218.571 ; 219.123,268.098 219.149,268.123 219.149,269.571 ; 219.123,319.098 219.149,319.123 219.149,320.571 ; 220.508,166.096 222.464,164.14 v1(226.756,164.14) ; 220.508,217.096 222.464,215.14 v1(226.756,215.14) ; 220.508,268.096 222.464,266.14 v1(226.756,266.14) ; 220.508,319.096 222.464,317.14 v1(226.756,317.14) ; v1(246.282,183.394) 246.282,182.874 247.997,181.16 247.997,178.391 ; v1(246.282,234.394) 246.282,233.874 247.997,232.16 247.997,229.391 ; v1(246.282,285.394) 246.282,284.874 247.997,283.16 247.997,280.391 ; v1(246.282,336.394) 246.282,335.874 247.997,334.16 247.997,331.391 ; v1(246.333,179.33) 246.333,178.263 247.22,177.375 248.621,177.375 249.381,178.136 253.572,178.136 253.902,178.466 253.902,181.235 253.621,181.515 252.735,181.515 ; v1(246.333,230.33) 246.333,229.263 247.22,228.375 248.621,228.375 249.381,229.136 253.572,229.136 253.902,229.466 253.902,232.235 253.621,232.515 252.735,232.515 ; v1(246.333,281.33) 246.333,280.263 247.22,279.375 248.621,279.375 249.381,280.136 253.572,280.136 253.902,280.466 253.902,283.235 253.621,283.515 252.735,283.515 ; v1(246.333,332.33) 246.333,331.263 247.22,330.375 248.621,330.375 249.381,331.136 253.572,331.136 253.902,331.466 253.902,334.235 253.621,334.515 252.735,334.515 ; v1(246.384,184.689) 247.501,184.689 248.009,184.181 ; v1(246.384,235.689) 247.501,235.689 248.009,235.181 ; v1(246.384,286.689) 247.501,286.689 248.009,286.181 ; v1(246.384,337.689) 247.501,337.689 248.009,337.181 ; v1(246.402,186.612) 246.8,186.213 248.009,186.213 248.04,186.243 248.04,187.61 248.751,188.321 250.448,188.321 251.184,187.585 253.521,187.585 254.029,187.077 254.029,185.68 253.675,185.325 252.735,185.325 ; v1(246.402,237.612) 246.8,237.213 248.009,237.213 248.04,237.243 248.04,238.61 248.751,239.321 250.448,239.321 251.184,238.585 253.521,238.585 254.029,238.077 254.029,236.68 253.675,236.325 252.735,236.325 ; v1(246.402,288.612) 246.8,288.213 248.009,288.213 248.04,288.243 248.04,289.61 248.751,290.321 250.448,290.321 251.184,289.585 253.521,289.585 254.029,289.077 254.029,287.68 253.675,287.325 252.735,287.325 ; v1(246.402,339.612) 246.8,339.213 248.009,339.213 248.04,339.243 248.04,340.61 248.751,341.321 250.448,341.321 251.184,340.585 253.521,340.585 254.029,340.077 254.029,338.68 253.675,338.325 252.735,338.325 ; 246.765,155.606 246.765,158.146 248.695,160.076 248.695,166.35 ; 246.765,206.606 246.765,209.146 248.695,211.076 248.695,217.35 ; 246.765,257.606 246.765,260.146 248.695,262.076 248.695,268.35 ; 246.765,308.606 246.765,311.146 248.695,313.076 248.695,319.35 ; v1(246.866,189.032) 247.501,189.032 248.009,189.54 248.009,190.882 248.04,190.912 248.721,191.593 250.3,191.593 250.753,191.141 250.753,188.735 251.395,188.093 253.732,188.093 254.639,187.185 254.639,183.546 253.878,182.785 252.735,182.785 ; v1(246.866,240.032) 247.501,240.032 248.009,240.54 248.009,241.881 248.04,241.912 248.721,242.593 250.3,242.593 250.753,242.141 250.753,239.735 251.395,239.093 253.732,239.093 254.639,238.185 254.639,234.546 253.878,233.785 252.735,233.785 ; v1(246.866,291.032) 247.501,291.032 248.009,291.54 248.009,292.881 248.04,292.912 248.721,293.593 250.3,293.593 250.753,293.141 250.753,290.735 251.395,290.093 253.732,290.093 254.639,289.185 254.639,285.546 253.878,284.785 252.735,284.785 ; v1(246.866,342.032) 247.501,342.032 248.009,342.54 248.009,343.881 248.04,343.912 248.721,344.593 250.3,344.593 250.753,344.141 250.753,341.735 251.395,341.093 253.732,341.093 254.639,340.185 254.639,336.546 253.878,335.785 252.735,335.785 ; 247.161,167.893 247.161,166.502 247.311,166.352 ; 247.161,218.893 247.161,217.502 247.311,217.352 ; 247.161,269.893 247.161,268.502 247.311,268.352 ; 247.161,320.893 247.161,319.502 247.311,319.352 ; 248.009,185.908 248.04,185.939 ; 248.009,236.908 248.04,236.939 ; 248.009,287.908 248.04,287.939 ; 248.009,338.908 248.04,338.939 ; 248.021,180.245 252.735,180.245 ; 248.021,231.245 252.735,231.245 ; 248.021,282.245 252.735,282.245 ; 248.021,333.245 252.735,333.245 ; 248.111,170.243 245.996,170.243 244.784,171.455 244.784,174.732 245.977,175.926 252.734,175.926 255.629,178.822 255.629,187.661 254.147,189.144 v1(253.556,189.144) ; 248.111,221.243 245.996,221.243 244.784,222.455 244.784,225.732 245.977,226.926 252.734,226.926 255.629,229.822 255.629,238.661 254.147,240.144 v1(253.556,240.144) ; 248.111,272.243 245.996,272.243 244.784,273.455 244.784,276.732 245.977,277.926 252.734,277.926 255.629,280.822 255.629,289.661 254.147,291.144 v1(253.556,291.144) ; 248.111,323.243 245.996,323.243 244.784,324.455 244.784,327.732 245.977,328.926 252.734,328.926 255.629,331.822 255.629,340.661 254.147,342.144 v1(253.556,342.144) ; 249.381,181.158 248.721,181.819 248.721,182.103 248.04,182.784 248.009,182.814 248.009,184.181 ; 249.381,232.158 248.721,232.819 248.721,233.103 248.04,233.784 248.009,233.814 248.009,235.181 ; 249.381,283.158 248.721,283.819 248.721,284.103 248.04,284.784 248.009,284.814 248.009,286.181 ; 249.381,334.158 248.721,334.819 248.721,335.103 248.04,335.784 248.009,335.814 248.009,337.181 ; 249.394,185.906 249.64,186.153 249.64,187.305 ; 249.394,236.906 249.64,237.153 249.64,238.305 ; 249.394,287.906 249.64,288.153 249.64,289.305 ; 249.394,338.906 249.64,339.153 249.64,340.305 ; 251.723,168.535 250.829,167.641 250.829,159.162 251.845,158.146 251.845,155.606 ; 251.723,219.535 250.829,218.641 250.829,210.162 251.845,209.146 251.845,206.606 ; 251.723,270.535 250.829,269.641 250.829,261.162 251.845,260.146 251.845,257.606 ; 251.723,321.535 250.829,320.641 250.829,312.162 251.845,311.146 251.845,308.606 ; 252.735,186.595 252.504,186.365 251.819,186.365 250.499,185.045 248.873,185.045 248.009,184.181 ; 252.735,237.595 252.504,237.365 251.819,237.365 250.499,236.045 248.873,236.045 248.009,235.181 ; 252.735,288.595 252.504,288.365 251.819,288.365 250.499,287.045 248.873,287.045 248.009,286.181 ; 252.735,339.595 252.504,339.365 251.819,339.365 250.499,338.045 248.873,338.045 248.009,337.181 ; 253.359,171.449 253.371,171.436 253.371,169.999 253.371,168.786 253.623,168.535 ; 253.359,172.922 254.563,171.718 254.563,168.01 252.737,166.185 252.673,166.185 254.26,164.598 v1(254.994,164.598) ; 253.359,222.449 253.371,222.436 253.371,220.999 253.371,219.786 253.623,219.535 ; 253.359,223.922 254.563,222.718 254.563,219.01 252.737,217.185 252.673,217.185 254.26,215.598 v1(254.994,215.598) ; 253.359,273.449 253.371,273.436 253.371,271.999 253.371,270.786 253.623,270.535 ; 253.359,274.922 254.563,273.718 254.563,270.01 252.737,268.185 252.673,268.185 254.26,266.598 v1(254.994,266.598) ; 253.359,324.449 253.371,324.436 253.371,322.999 253.371,321.786 253.623,321.535 ; 253.359,325.922 254.563,324.718 254.563,321.01 252.737,319.185 252.673,319.185 254.26,317.598 v1(254.994,317.598) ; 256.595,169.442 256.595,164.978 v1(257.456,164.117) ; 256.595,220.442 256.595,215.978 v1(257.456,215.117) ; 256.595,271.442 256.595,266.978 v1(257.456,266.117) ; 256.595,322.442 256.595,317.978 v1(257.456,317.117) ; 256.925,155.606 256.925,158.146 255.645,159.426 255.645,171.792 256.845,170.592 257.992,170.592 259.033,171.633 ; 256.925,206.606 256.925,209.146 255.645,210.426 255.645,222.792 256.845,221.592 257.992,221.592 259.033,222.633 ; 256.925,257.606 256.925,260.146 255.645,261.426 255.645,273.792 256.845,272.592 257.992,272.592 259.033,273.633 ; 256.925,308.606 256.925,311.146 255.645,312.426 255.645,324.792 256.845,323.592 257.992,323.592 259.033,324.633 ; 257.534,174.91 257.545,174.9 257.545,171.792 ; 257.534,225.91 257.545,225.9 257.545,222.792 ; 257.534,276.91 257.545,276.9 257.545,273.792 ; 257.534,327.91 257.545,327.9 257.545,324.792 ; 257.623,166.098 257.649,166.123 257.649,167.571 ; 257.623,217.098 257.649,217.123 257.649,218.571 ; 257.623,268.098 257.649,268.123 257.649,269.571 ; 257.623,319.098 257.649,319.123 257.649,320.571 ; 259.008,166.096 260.964,164.14 v1(265.256,164.14) ; 259.008,217.096 260.964,215.14 v1(265.256,215.14) ; 259.008,268.096 260.964,266.14 v1(265.256,266.14) ; 259.008,319.096 260.964,317.14 v1(265.256,317.14)
  Top Layer w0.3: v1(92.206,172.599) 93.857,174.25 98.683,174.25 102.163,174.25 ; v1(92.206,223.599) 93.857,225.25 98.683,225.25 102.163,225.25 ; v1(92.206,274.599) 93.857,276.25 98.683,276.25 102.163,276.25 ; v1(92.206,325.599) 93.857,327.25 98.683,327.25 102.163,327.25 ; 98.241,170.001 98.241,174.25 ; 98.241,221.001 98.241,225.25 ; 98.241,272.001 98.241,276.25 ; 98.241,323.001 98.241,327.25 ; 102.15,174.912 102.163,174.899 102.163,173.234 ; 102.15,225.912 102.163,225.899 102.163,224.234 ; 102.15,276.912 102.163,276.899 102.163,275.234 ; 102.15,327.912 102.163,327.899 102.163,326.234 ; v1(130.706,172.599) 132.357,174.25 137.183,174.25 140.663,174.25 ; v1(130.706,223.599) 132.357,225.25 137.183,225.25 140.663,225.25 ; v1(130.706,274.599) 132.357,276.25 137.183,276.25 140.663,276.25 ; v1(130.706,325.599) 132.357,327.25 137.183,327.25 140.663,327.25 ; 136.741,170.001 136.741,174.25 ; 136.741,221.001 136.741,225.25 ; 136.741,272.001 136.741,276.25 ; 136.741,323.001 136.741,327.25 ; 140.65,174.912 140.663,174.899 140.663,173.234 ; 140.65,225.912 140.663,225.899 140.663,224.234 ; 140.65,276.912 140.663,276.899 140.663,275.234 ; 140.65,327.912 140.663,327.899 140.663,326.234 ; v1(169.206,172.599) 170.857,174.25 175.683,174.25 179.163,174.25 ; v1(169.206,223.599) 170.857,225.25 175.683,225.25 179.163,225.25 ; v1(169.206,274.599) 170.857,276.25 175.683,276.25 179.163,276.25 ; v1(169.206,325.599) 170.857,327.25 175.683,327.25 179.163,327.25 ; 175.241,170.001 175.241,174.25 ; 175.241,221.001 175.241,225.25 ; 175.241,272.001 175.241,276.25 ; 175.241,323.001 175.241,327.25 ; 179.15,174.912 179.163,174.899 179.163,173.234 ; 179.15,225.912 179.163,225.899 179.163,224.234 ; 179.15,276.912 179.163,276.899 179.163,275.234 ; 179.15,327.912 179.163,327.899 179.163,326.234 ; v1(207.706,172.599) 209.357,174.25 214.183,174.25 217.663,174.25 ; v1(207.706,223.599) 209.357,225.25 214.183,225.25 217.663,225.25 ; v1(207.706,274.599) 209.357,276.25 214.183,276.25 217.663,276.25 ; v1(207.706,325.599) 209.357,327.25 214.183,327.25 217.663,327.25 ; 213.741,170.001 213.741,174.25 ; 213.741,221.001 213.741,225.25 ; 213.741,272.001 213.741,276.25 ; 213.741,323.001 213.741,327.25 ; 217.65,174.912 217.663,174.899 217.663,173.234 ; 217.65,225.912 217.663,225.899 217.663,224.234 ; 217.65,276.912 217.663,276.899 217.663,275.234 ; 217.65,327.912 217.663,327.899 217.663,326.234 ; v1(246.206,172.599) 247.857,174.25 252.683,174.25 256.163,174.25 ; v1(246.206,223.599) 247.857,225.25 252.683,225.25 256.163,225.25 ; v1(246.206,274.599) 247.857,276.25 252.683,276.25 256.163,276.25 ; v1(246.206,325.599) 247.857,327.25 252.683,327.25 256.163,327.25 ; 252.241,170.001 252.241,174.25 ; 252.241,221.001 252.241,225.25 ; 252.241,272.001 252.241,276.25 ; 252.241,323.001 252.241,327.25 ; 256.15,174.912 256.163,174.899 256.163,173.234 ; 256.15,225.912 256.163,225.899 256.163,224.234 ; 256.15,276.912 256.163,276.899 256.163,275.234 ; 256.15,327.912 256.163,327.899 256.163,326.234
  Top Layer w0.5: 118.52,197.211 118.724,197.008 118.724,191.014 118.8,191.09 120.324,191.09 ; 118.52,248.211 118.724,248.008 118.724,242.014 118.8,242.09 120.324,242.09 ; 118.52,299.211 118.724,299.008 118.724,293.014 118.8,293.09 120.324,293.09 ; 118.52,350.211 118.724,350.008 118.724,344.014 118.8,344.09 120.324,344.09 ; v3@118.722,188.297 118.722,189.629 120.26,189.629 120.324,189.566 ; v3@118.722,239.297 118.722,240.629 120.26,240.629 120.324,240.566 ; v3@118.722,290.297 118.722,291.629 120.26,291.629 120.324,291.566 ; v3@118.722,341.297 118.722,342.629 120.26,342.629 120.324,342.566 ; 157.02,197.211 157.224,197.008 157.224,191.014 157.3,191.09 158.824,191.09 ; 157.02,248.211 157.224,248.008 157.224,242.014 157.3,242.09 158.824,242.09 ; 157.02,299.211 157.224,299.008 157.224,293.014 157.3,293.09 158.824,293.09 ; 157.02,350.211 157.224,350.008 157.224,344.014 157.3,344.09 158.824,344.09 ; v3@157.222,188.297 157.222,189.629 158.76,189.629 158.824,189.566 ; v3@157.222,239.297 157.222,240.629 158.76,240.629 158.824,240.566 ; v3@157.222,290.297 157.222,291.629 158.76,291.629 158.824,291.566 ; v3@157.222,341.297 157.222,342.629 158.76,342.629 158.824,342.566 ; 195.52,197.211 195.724,197.008 195.724,191.014 195.8,191.09 197.324,191.09 ; 195.52,248.211 195.724,248.008 195.724,242.014 195.8,242.09 197.324,242.09 ; 195.52,299.211 195.724,299.008 195.724,293.014 195.8,293.09 197.324,293.09 ; 195.52,350.211 195.724,350.008 195.724,344.014 195.8,344.09 197.324,344.09 ; v3@195.722,188.297 195.722,189.629 197.26,189.629 197.324,189.566 ; v3@195.722,239.297 195.722,240.629 197.26,240.629 197.324,240.566 ; v3@195.722,290.297 195.722,291.629 197.26,291.629 197.324,291.566 ; v3@195.722,341.297 195.722,342.629 197.26,342.629 197.324,342.566 ; 234.02,197.211 234.224,197.008 234.224,191.014 234.3,191.09 235.824,191.09 ; 234.02,248.211 234.224,248.008 234.224,242.014 234.3,242.09 235.824,242.09 ; 234.02,299.211 234.224,299.008 234.224,293.014 234.3,293.09 235.824,293.09 ; 234.02,350.211 234.224,350.008 234.224,344.014 234.3,344.09 235.824,344.09 ; v3@234.222,188.297 234.222,189.629 235.76,189.629 235.824,189.566 ; v3@234.222,239.297 234.222,240.629 235.76,240.629 235.824,240.566 ; v3@234.222,290.297 234.222,291.629 235.76,291.629 235.824,291.566 ; v3@234.222,341.297 234.222,342.629 235.76,342.629 235.824,342.566 ; 272.52,197.211 272.724,197.008 272.724,191.014 272.8,191.09 274.324,191.09 ; 272.52,248.211 272.724,248.008 272.724,242.014 272.8,242.09 274.324,242.09 ; 272.52,299.211 272.724,299.008 272.724,293.014 272.8,293.09 274.324,293.09 ; 272.52,350.211 272.724,350.008 272.724,344.014 272.8,344.09 274.324,344.09 ; v3@272.722,188.297 272.722,189.629 274.26,189.629 274.324,189.566 ; v3@272.722,239.297 272.722,240.629 274.26,240.629 274.324,240.566 ; v3@272.722,290.297 272.722,291.629 274.26,291.629 274.324,291.566 ; v3@272.722,341.297 272.722,342.629 274.26,342.629 274.324,342.566